# Altium PCB Carte_GR_2017_logique_v1_ECO_JEAN.PcbDoc (part 2 of 3)
Units mil, origin at the board's own origin, x right, y up, seen from the top; angles counter-clockwise.
Board outline 5300 x 3800 mil, 4 copper layers (Component Side, Ground, Power, Solder Side), stack 38.234 mil thick; 359 components, 303 nets, 1044 pads, 134 vias.
Unrouted connection lines stored in the file: 16.
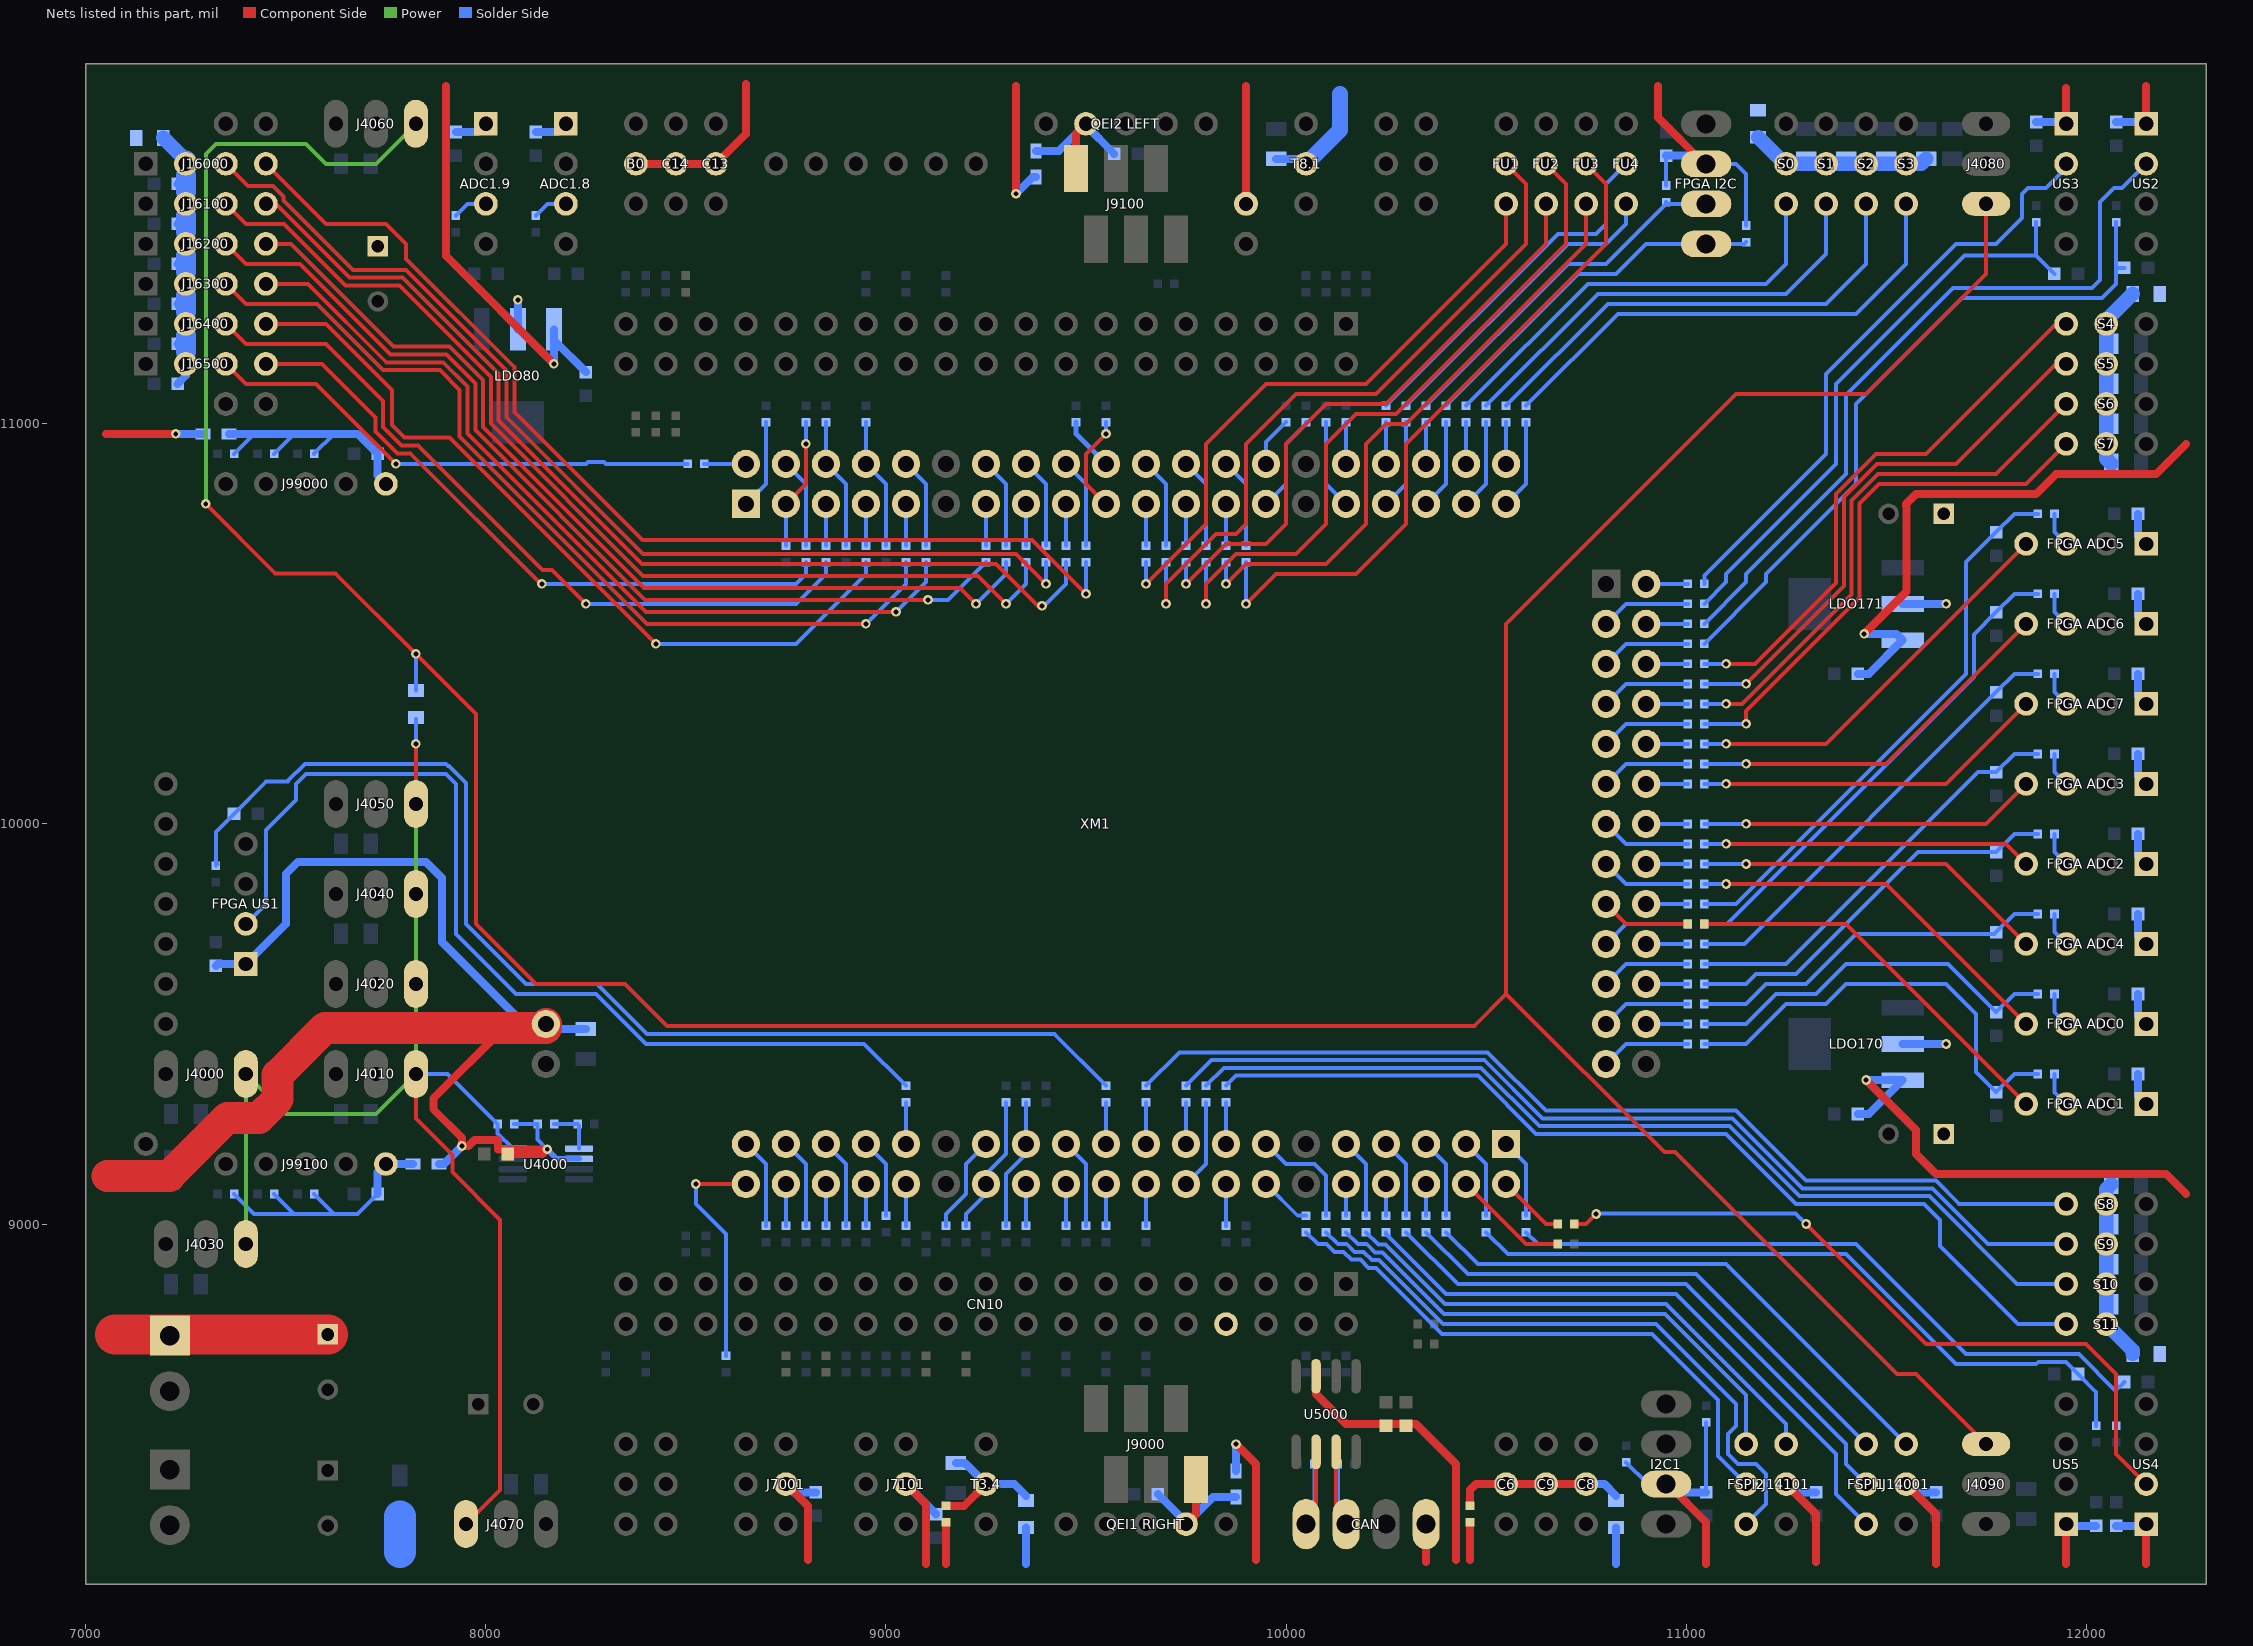
[diagram p4: the nets of this part, all layers, seen from the top]

## Via types
v1: diameter 24, hole 12, Component Side to Solder Side, 125 vias
v2: diameter 120, hole 120, Component Side to Solder Side, 5 vias
v3: diameter 24, hole 12, Component Side to Solder Side, tented top, 4 vias

## Nets (pads, with @x,y where several pads share a name; then routed paths per layer and width w, separated by ;. In a path a pad name is that pad's centre, name@x,y a point inside that pad or via, vN(x,y) a via of type N, cw(c..) or ccw(c..) an arc to the next point about the centre after c; other vN are vias at no path point)
3.3V_ADC_FPGA_0: "FPGA ADC0.1" "FPGA ADC1.1" "FPGA ADC2.1" "FPGA ADC4.1" C171.1 C17000.1 C17100.1 C17200.1 C17400.1 LDO170.2 | length 442.8
  Solder Side w20: LDO170.2@11541.14,9450 v1(11650,9450) ; C17100.1@12129.53,9375 12129.53,9320.47 12150,9300 ; C17000.1@12129.53,9575 12129.53,9520.47 12150,9500 ; C17400.1@12129.53,9775 12129.53,9720.47 12150,9700 ; C17200.1@12129.53,9975 12129.53,9920.47 12150,9900
3.3V_ADC_FPGA_1: "FPGA ADC3.1" "FPGA ADC5.1" "FPGA ADC6.1" "FPGA ADC7.1" C173.1 C17300.1 C17500.1 C17600.1 C17700.1 LDO171.2 | length 442.8
  Solder Side w20: LDO171.2@11541.14,10550 v1(11650,10550) ; C17300.1@12129.53,10175 12129.53,10120.47 12150,10100 ; C17700.1@12129.53,10375 12129.53,10320.47 12150,10300 ; C17600.1@12129.53,10575 12129.53,10520.47 12150,10500 ; C17500.1@12129.53,10775 12129.53,10720.47 12150,10700
3.3V_ADC_NUCLEO: ADC1.8.1 ADC1.9.1 C81.1 C8000.1 C8100.1 LDO80.2 | length 240.8
  Solder Side w20: C8000.1@7925,11729.53 7979.53,11729.53 ADC1.9.1@8000,11750 ; LDO80.2@8080,11236.14 v3(8080,11310) ; C8100.1@8125,11729.53 8179.53,11729.53 ADC1.8.1@8200,11750
5V: "FPGA I2C.2" "FPGA US1.1" B0.2 B1.1 C1.1 C3.2 C13.2 C14.2 C80.1 C170.1 C172.1 C4002.1 C5000.1 C5001.1 C6100.1 C7000.1 C7100.1 C13000.1 C14000.1 C14100.1 C15000.1 C15100.1 C15200.1 C15300.1 C15400.1 CAN.1 FB9000.1 FB9100.1 FB99000.1 FB99100.1 I2C1.2 J7001.2 J7101.2 J14001.2 J14101.2 LDO80.3 LDO170.3 LDO171.3 pad.20 R149.2 R150.2 R4000.2 R4001.2 R6100.2 R6101.2 R13000.2 R13001.2 U4000.2 U5000.3 US2.1 US3.1 US4.1 US5.1 XM1.1 | length 13789.2
  Component Side w20: 7050,10975 v1(7225,10975) ; 7900,11845 7900,11420 v1(8170,11150) ; 8045,9490 7868.5,9313.5 7868.5,9286.95 7940,9215.45 v1(7940,9195) 7956.4,9195 7971.65,9210.25 8030.72,9210.25 8030.72,9186.73 v1(8153.27,9186.73) 8141.54,9175 C4002.1@8054.53,9175 ; B0.2@8375,11650 C14.2@8475,11650 C13.2@8575,11650 8650,11725 8650,11850 ; J7001.2@8750,8350 8805,8295 8805,8160 ; J7101.2@9050,8350 9100,8300 9100,8150 ; 9150,8150 R149.2@9150,8254.33 ; v1(9325,11575) 9325,11845 ; v1(9875,8450) 9925,8400 9925,8160 ; pad.20@9900,11550 9900,11845 ; U5000.3@10075,8619.49 10075,8575 10150,8500 10325,8500 10425,8400 10425,8160 ; 10350,8155 CAN.1@10350,8250 ; 10460,8160 R150.2@10460,8254.33 ; 10930,11845 10930,11765.57 11045.57,11650 11050,11650 ; I2C1.2@10950,8350 10954.43,8350 11050,8254.43 11050,8150 ; J14101.2@11250,8350 11325,8275 11325,8155 ; v1(11445,10475) 11551.19,10581.19 11551.19,10794.87 11550,10796.06 11550,10800 11575,10825 11875,10825 11925,10875 12175,10875 12250,10950 ; v1(11450,9360) 11575,9235 11575,9175 11625,9125 12200,9125 12250,9075 ; J14001.2@11550,8350 11625,8275 11625,8150 ; 11950,8150 US5.1@11950,8250 ; US3.1@11950,11750 11950,11840 ; 12150,8150 US4.1@12150,8250 ; US2.1@12150,11750 12150,11845
  Component Side w80: 7054.5,9120 7055,9120.5 7208.74,9120.5 7353.74,9265.5 7432.93,9265.5 7479.5,9312.07 7479.5,9371.93 7598.07,9490.5 8150,9490.5 XM1.1@8150,9500
  Component Side w100: 7073.4,8723.9 C1.1@7605,8723.9
  Solder Side w10: R4000.2@8070.67,9250 R4001.2@8129.33,9250 8129.33,9210.67 v1(8153.27,9186.73) ; R6100.2@10850,8404.33 10904.33,8350 I2C1.2@10950,8350 ; R13000.2@10950,11595.67 C13000.1@10950,11670.47 ; C6100.1@11050,8329.53 R6101.2@11050,8504.33 ; 11050,11650 11125,11650 11150,11625 R13001.2@11150,11495.67
  Solder Side w14: v1(8153.27,9186.73) 8177.2,9162.8 U4000.2@8232.68,9162.8
  Solder Side w20: v1(7225,10975) FB99000.1@7292.52,10975 ; C15000.1@7325,9645.47 7329.53,9650 7400,9650 7500,9750 7500,9875 7529.91,9904.91 7738.2,9904.91 7738.29,9905 7850,9905 7890,9865 7890,9705 8095,9500 XM1.1@8150,9500 8162.6,9487.4 C3.2@8250,9487.4 ; FB99100.1@7882.48,9150 7895,9150 v1(7940,9195) ; v1(8170,11150) 8170,11235.59 LDO80.3@8170.55,11236.14 8170.55,11208.98 C80.1@8250,11129.53 ; J7001.2@8750,8350 8770.47,8329.53 C7000.1@8825,8329.53 ; J7101.2@9050,8350 9125,8275 C7100.1@9125,8274.53 ; v1(9325,11575) 9367.52,11617.52 FB9100.1@9375,11617.52 ; FB9000.1@9875,8382.48 v1(9875,8450) ; I2C1.2@10950,8350 10970.47,8329.53 C6100.1@11050,8329.53 ; C13000.1@10950,11670.47 11029.53,11670.47 11050,11650 ; J14101.2@11250,8350 11270.47,8329.53 C14100.1@11325,8329.53 ; C170.1@11429.53,9275 11456.69,9275 LDO170.3@11541.14,9359.45 11540.59,9360 v1(11450,9360) ; C172.1@11429.53,10375 11456.69,10375 LDO171.3@11541.14,10459.45 11525.59,10475 v1(11445,10475) ; J14001.2@11550,8350 11570.47,8329.53 C14000.1@11625,8329.53 ; C15200.1@11875,11754.53 11945.47,11754.53 US3.1@11950,11750 ; US5.1@11950,8250 11954.53,8245.47 C15400.1@12025,8245.47 ; C15300.1@12075,8245.47 12145.47,8245.47 US4.1@12150,8250 ; C15100.1@12075,11754.53 12145.47,11754.53 US2.1@12150,11750
5V_ENC: "QEI1 RIGHT.4" "QEI2 LEFT.4" C9000.1 C9100.1 C99000.1 C99100.1 FB9000.2 FB9100.2 FB99000.2 FB99100.2 J9000.1 J9100.1 J99000.1 J99100.1 R99000.2 R99001.2 R99002.2 R99100.2 R99101.2 R99102.2 | length 2138.7
  Component Side w20: J9100.1@9475,11638.58 9475,11725 9500,11750 ; 9750,8250 9775,8275 J9000.1@9775,8361.42
  Solder Side w10: R99102.2@7370.67,9075 7420.67,9025 7520.67,9025 ; R99002.2@7370.67,10925 7420.67,10975 ; R99101.2@7470.67,9075 7520.67,9025 ; R99001.2@7470.67,10925 7520.67,10975 ; R99100.2@7570.67,9075 7620.67,9025 ; R99000.2@7570.67,10925 7570.67,10925.67 7620,10975 ; C99100.1@7729.53,9075 7679.53,9025 7620.67,9025 ; 7520.67,9025 7620.67,9025
  Solder Side w20: FB99000.2@7357.48,10975 7420.67,10975 7520.67,10975 7620,10975 7679.55,10975 C99000.1@7729.53,10925 7729.53,10870.47 J99000.1@7750,10850 ; C99100.1@7729.53,9075 7729.53,9129.53 J99100.1@7750,9150 FB99100.2@7817.52,9150 ; FB9100.2@9375,11682.48 9432.48,11682.48 9500,11750 9500,11745.47 C9100.1@9570.47,11675 ; C9000.1@9679.53,8325 9750,8254.53 9750,8250 9817.52,8317.52 FB9000.2@9875,8317.52
5V_SERVO: C6.2 C8.2 C9.2 C2100.2 C2400.2 C11000.2 C11010.2 C11020.2 C11030.2 C11040.2 C11050.2 C11060.2 C11070.2 C11080.2 C11090.2 C11100.2 C11110.2 C16000.1 C16100.1 C16200.1 C16300.1 C16400.1 C16500.1 FB2.1 J16000.2 J16100.2 J16200.2 J16300.2 J16400.2 J16500.2 R149.1 R150.1 S0.2 S1.2 S2.2 S3.2 S4.2 S5.2 S6.2 S7.2 S8.2 S9.2 S10.2 S11.2 SB1.1 SB1.2 SB2.1 SB2.2 SB3.1 SB3.2 SB6.1 SB6.2 SB7.1 SB7.2 SB8.1 SB8.2 T3.4.2 T8.1.2 | length 3620
  Component Side w20: R149.1@9150,8295.67 9195.67,8295.67 T3.4.2@9250,8350 ; R150.1@10460,8295.67 10460,8335 10475,8350 C6.2@10550,8350 C9.2@10650,8350 C8.2@10750,8350
  Solder Side w20: C16500.1@7229.53,11100 7250,11120.47 J16500.2@7250,11150 7250,11179.53 C16400.1@7229.53,11200 7250,11220.47 J16400.2@7250,11250 7250,11279.53 C16300.1@7229.53,11300 7250,11320.47 J16300.2@7250,11350 7250,11379.53 C16200.1@7229.53,11400 7250,11420.47 J16200.2@7250,11450 7250,11479.53 C16100.1@7229.53,11500 7250,11520.47 J16100.2@7250,11550 7250,11579.53 C16000.1@7229.53,11600 7250,11620.47 J16000.2@7250,11650 ; C2400.2@9175,8402.4 9197.6,8402.4 T3.4.2@9250,8350 9320.75,8350 SB7.2@9350,8320.75 ; 9350,8150 SB7.1@9350,8241.25 ; C2100.2@9975,11662.6 10037.4,11662.6 T8.1.2@10050,11650 ; C8.2@10750,8350 10795.75,8350 SB8.2@10825,8320.75 ; 10825,8150 SB8.1@10825,8241.25
  Solder Side w36: SB6.2@7193.75,11715 J16000.2@7250,11658.75 ; SB1.2@11180,11716.25 11246.25,11650 S0.2@11250,11650 S1.2@11350,11650 S2.2@11450,11650 S3.2@11550,11650 11587.4,11650 C11030.2@11600,11662.6 ; C11080.2@12062.6,9100 12050,9087.4 S8.2@12050,9050 S9.2@12050,8950 S10.2@12050,8850 S11.2@12050,8750 12116.25,8683.75 SB3.2@12116.25,8675 ; C11070.2@12062.6,10900 12050,10912.6 S7.2@12050,10950 S6.2@12050,11050 S5.2@12050,11150 S4.2@12050,11250 12050,11258.75 SB2.2@12116.25,11325
  Solder Side w40: T8.1.2@10050,11650 10135,11735 10135,11825
  Solder Side w50: 7250,11179.53 7250,11220.47 ; 7250,11279.53 7250,11320.47 ; 7250,11379.53 7250,11420.47 ; 7250,11479.53 7250,11520.47 ; 7250,11579.53 7250,11620.47 ; J16000.2@7250,11650 J16000.2@7250,11658.75
  Solder Side w80: 7785,8180 FB2.1@7785,8268.82
5V_USB_NUCLEO: CN10.8
ADC1.8_IN: ADC1.8.3 R8100.2 | length 87.1
  Solder Side w10: R8100.2@8125,11520.67 8154.33,11550 ADC1.8.3@8200,11550
ADC1.9_IN: ADC1.9.3 R8000.2 | length 87.1
  Solder Side w10: R8000.2@7925,11520.67 7954.33,11550 ADC1.9.3@8000,11550
CANH: CAN.3 R5000.2 U5000.7 | length 349.4
  Component Side w10: U5000.7@10125,8430.51 10125,8275 CAN.3@10150,8250
  Solder Side w10: R5000.2@10129.33,8400 10129.33,8270.67 CAN.3@10150,8250
CANL: CAN.4 R5001.1 U5000.6 | length 349.4
  Component Side w10: CAN.4@10050,8250 10075,8275 U5000.6@10075,8430.51
  Solder Side w10: CAN.4@10050,8250 10070.67,8270.67 R5001.1@10070.67,8400
DYNA_D0: J4000.1 J4010.1 J4020.1 J4030.1 J4040.1 J4050.1 J4060.1 J4070.1 J4080.1 J4090.1 R4000.1 SB5.1 SB5.2 U4000.8 | length 13430.8
  Component Side w10: v1(7300,10800) 7473.5,10626.5 7623.5,10626.5 v1(7825,10425) 7975,10275 7975,9750 8125,9600 8347.93,9600 8452.43,9495.5 10470.5,9495.5 10550,9575 ; J4010.1@7825,9375 7825,9263.84 7916,9172.84 7916,9130.07 8035.6,9010.47 8035.6,8335.6 J4070.1@7950,8250 J4070.1@7957.07,8250 ; J4050.1@7825,10050 v1(7825,10200) ; J4090.1@11750,8450 11575,8625 11527.07,8625 10972.57,9179.5 10945.5,9179.5 10550,9575 ; J4080.1@11750,11550 11750,11375 11450,11075 11125,11075 10550,10500 10550,9575
  Power w10: v1(7300,10800) 7300,11675 7325,11700 7550,11700 7600,11650 7725,11650 J4060.1@7825,11750 ; J4030.1@7400,8950 J4000.1@7400,9375 7500,9275 7725,9275 J4010.1@7825,9375 J4020.1@7825,9600 J4040.1@7825,9825 J4050.1@7825,10050
  Solder Side w10: J4010.1@7825,9375 7904.33,9375 R4000.1@8029.33,9250 8029.33,9226.38 U4000.8@8067.32,9188.39 ; v1(7825,10200) SB5.1@7825,10261.75 ; SB5.2@7825,10333.75 v1(7825,10425)
DYNA_D_INV: R4001.1 R4002.2 U4000.1 | length 121.7
  Solder Side w10: R4001.1@8170.67,9250 R4002.2@8229.33,9250 8232.68,9246.65 U4000.1@8232.68,9188.39
F_ADC0_IN: "FPGA ADC0.3" R17000.2 | length 87.1
  Solder Side w10: R17000.2@11920.67,9575 11920.67,9529.33 11950,9500
F_ADC1_IN: "FPGA ADC1.3" R17100.2 | length 87.1
  Solder Side w10: R17100.2@11920.67,9375 11920.67,9329.33 11950,9300
F_ADC2_IN: "FPGA ADC2.3" R17200.2 | length 87.1
  Solder Side w10: R17200.2@11920.67,9975 11920.67,9929.33 11950,9900
F_ADC3_IN: "FPGA ADC3.3" R17300.2 | length 87.1
  Solder Side w10: R17300.2@11920.67,10175 11920.67,10129.33 11950,10100
F_ADC4_IN: "FPGA ADC4.3" R17400.2 | length 87.1
  Solder Side w10: R17400.2@11920.67,9775 11920.67,9729.33 11950,9700
F_ADC5_IN: "FPGA ADC5.3" R17500.2 | length 87.1
  Solder Side w10: R17500.2@11920.67,10775 11920.67,10729.33 11950,10700
F_ADC6_IN: "FPGA ADC6.3" R17600.2 | length 87.1
  Solder Side w10: R17600.2@11920.67,10575 11920.67,10529.33 11950,10500
F_ADC7_IN: "FPGA ADC7.3" R17700.2 | length 87.1
  Solder Side w10: R17700.2@11920.67,10375 11920.67,10329.33 11950,10300
FPGA_A2: R96.2 XM1.105 | length 104.3
  Solder Side w10: R96.2@8850,10695.67 XM1.105@8850,10800
FPGA_A3: R18.1 R111.1 XM1.106 | length 329.4
  Solder Side w10: R18.1@8850,11004.33 XM1.106@8850,10900 8900,10850 R111.1@8900,10695.67
FPGA_A4: R98.2 XM1.109 | length 104.3
  Solder Side w10: R98.2@9050,10695.67 XM1.109@9050,10800
FPGA_A5: R99.2 XM1.113 | length 104.3
  Solder Side w10: R99.2@9250,10695.67 XM1.113@9250,10800
FPGA_A6: R115.1 XM1.116 | length 225
  Solder Side w10: XM1.116@9350,10900 9400,10850 R115.1@9400,10695.67
FPGA_A7: R153.2 XM1.119 | length 245.8
  Component Side w10: XM1.119@9550,10800 9500,10850 9500,10925 v1(9550,10975)
  Solder Side w10: v1(9550,10975) R153.2@9550,11004.33
FPGA_A12: R107.2 XM1.137 | length 225
  Solder Side w10: XM1.137@10450,10800 10500,10850 R107.2@10500,11004.33
FPGA_A14: R125.2 XM1.305 | length 225
  Solder Side w10: XM1.305@10800,10400 10850,10450 R125.2@11004.33,10450
FPGA_ADC0: R147.1 XM1.324 | length 104.3
  Solder Side w10: XM1.324@10900,9500 R147.1@11004.33,9500
FPGA_ADC0_AIN: C17001.2 R147.2 R17000.1 | length 964.5
  Solder Side w10: R147.2@11045.67,9500 11150,9500 11225,9575 11325,9575 11400,9650 11654.53,9650 C17001.2@11775,9529.53 11820.47,9575 R17000.1@11879.33,9575
FPGA_ADC0_GPIO: "FPGA ADC0.4" R130.1 | length 949.3
  Component Side w10: v1(11100,9850) 11500,9850 11850,9500
  Solder Side w10: R130.1@11045.67,9850 v1(11100,9850)
FPGA_ADC1: R135.2 XM1.325 | length 225
  Solder Side w10: XM1.325@10800,9400 10850,9450 R135.2@11004.33,9450
FPGA_ADC1_AIN: C17101.2 R135.1 R17100.1 | length 1111.9
  Solder Side w10: R135.1@11045.67,9450 11150,9450 11250,9550 11350,9550 11400,9600 11650,9600 11725,9525 11725,9379.53 C17101.2@11775,9329.53 11820.47,9375 R17100.1@11879.33,9375
FPGA_ADC1_GPIO: "FPGA ADC1.4" R131.1 | length 990.7
  Component Side w10: R131.1@11045.67,9750 11400,9750 11850,9300
FPGA_ADC2: R146.1 XM1.322 | length 104.3
  Solder Side w10: XM1.322@10900,9600 R146.1@11004.33,9600
FPGA_ADC2_AIN: C17201.2 R146.2 R17200.1 | length 989
  Solder Side w10: R146.2@11045.67,9600 11150,9600 11175,9625 11275,9625 11579.53,9929.53 C17201.2@11775,9929.53 11820.47,9975 R17200.1@11879.33,9975
FPGA_ADC2_GPIO: "FPGA ADC2.4" R129.1 | length 825
  Component Side w10: v1(11100,9950) 11800,9950 11850,9900
  Solder Side w10: R129.1@11045.67,9950 v1(11100,9950)
FPGA_ADC3: R133.2 XM1.321 | length 225
  Solder Side w10: XM1.321@10800,9600 10850,9650 R133.2@11004.33,9650
FPGA_ADC3_AIN: C17301.2 R133.1 R17300.1 | length 1051.1
  Solder Side w10: R133.1@11045.67,9650 11250,9650 11729.53,10129.53 C17301.2@11775,10129.53 11820.47,10175 R17300.1@11879.33,10175
FPGA_ADC3_GPIO: "FPGA ADC3.4" R142.2 | length 845.8
  Component Side w10: v1(11150,10000) 11750,10000 11850,10100
  Solder Side w10: R142.2@11045.67,10000 v1(11150,10000)
FPGA_ADC4: R134.2 XM1.323 | length 225
  Solder Side w10: XM1.323@10800,9500 10850,9550 R134.2@11004.33,9550
FPGA_ADC4_AIN: C17401.2 R134.1 R17400.1 | length 926.9
  Solder Side w10: R134.1@11045.67,9550 11150,9550 11200,9600 11300,9600 11425,9725 11770.47,9725 C17401.2@11775,9729.53 11820.47,9775 R17400.1@11879.33,9775
FPGA_ADC4_GPIO: "FPGA ADC4.4" R143.2 | length 887.2
  Component Side w10: v1(11150,9900) 11650,9900 11850,9700
  Solder Side w10: R143.2@11045.67,9900 v1(11150,9900)
FPGA_ADC5: R144.1 XM1.318 | length 104.3
  Solder Side w10: XM1.318@10900,9800 R144.1@11004.33,9800
FPGA_ADC5_AIN: C17501.2 R144.2 R17500.1 | length 1401.3
  Solder Side w10: R144.2@11045.67,9800 11125,9800 11700,10375 11700,10654.53 C17501.2@11775,10729.53 11820.47,10775 R17500.1@11879.33,10775
FPGA_ADC5_GPIO: "FPGA ADC5.4" R140.2 | length 1011.4
  Component Side w10: v1(11100,10200) 11350,10200 11850,10700
  Solder Side w10: R140.2@11045.67,10200 v1(11100,10200)
FPGA_ADC6: R132.2 XM1.319 | length 225
  Solder Side w10: XM1.319@10800,9700 10850,9750 R132.2@11004.33,9750
FPGA_ADC6_AIN: C17601.2 R132.1 R17600.1 | length 1238.1
  Solder Side w10: R132.1@11045.67,9750 11102.58,9750 11719.5,10366.92 11719.5,10474.03 C17601.2@11775,10529.53 11820.47,10575 R17600.1@11879.33,10575
FPGA_ADC6_GPIO: "FPGA ADC6.4" R128.1 | length 949.3
  Component Side w10: v1(11150,10150) 11500,10150 11850,10500
  Solder Side w10: R128.1@11045.67,10150 v1(11150,10150)
FPGA_ADC7: R145.1 XM1.320 | length 104.3
  Solder Side w10: XM1.320@10900,9700 R145.1@11004.33,9700
FPGA_ADC7_AIN: C17701.2 R145.2 R17700.1 | length 1113.3
  Solder Side w10: R145.2@11045.67,9700 11145.47,9700 C17701.2@11775,10329.53 11820.47,10375 R17700.1@11879.33,10375
FPGA_ADC7_GPIO: "FPGA ADC7.4" R141.2 | length 887.2
  Component Side w10: v1(11100,10100) 11650,10100 11850,10300
  Solder Side w10: R141.2@11045.67,10100 v1(11100,10100)
FPGA_B3: R97.2 XM1.107 | length 104.3
  Solder Side w10: R97.2@8950,10695.67 XM1.107@8950,10800
FPGA_B4: R9.1 R112.1 XM1.108 | length 329.4
  Solder Side w10: R9.1@8950,11004.33 XM1.108@8950,10900 9000,10850 R112.1@9000,10695.67
FPGA_B5: R113.1 XM1.110 | length 225
  Solder Side w10: XM1.110@9050,10900 9100,10850 R113.1@9100,10695.67
FPGA_B6: R100.2 XM1.115 | length 104.3
  Solder Side w10: R100.2@9350,10695.67 XM1.115@9350,10800
FPGA_B7: R101.2 XM1.117 | length 104.3
  Solder Side w10: R101.2@9450,10695.67 XM1.117@9450,10800
FPGA_B11: R121.1 XM1.136 | length 104.3
  Solder Side w10: XM1.136@10350,10900 R121.1@10350,11004.33
FPGA_B12: R123.1 XM1.140 | length 104.3
  Solder Side w10: XM1.140@10550,10900 R123.1@10550,11004.33
FPGA_B16: R138.1 XM1.306 | length 104.3
  Solder Side w10: XM1.306@10900,10400 R138.1@11004.33,10400
FPGA_C3: R110.1 XM1.104 | length 225
  Solder Side w10: XM1.104@8750,10900 8800,10850 R110.1@8800,10695.67
FPGA_C6: R5.1 XM1.120 | length 135.4
  Solder Side w12: R5.1@9475,11004.33 9475,10975 XM1.120@9550,10900
FPGA_C8: R102.2 XM1.121 | length 104.3
  Solder Side w10: R102.2@9650,10695.67 XM1.121@9650,10800
FPGA_C9: R1.1 XM1.131 | length 225
  Solder Side w10: R1.1@10100,11004.33 10100,10850 XM1.131@10150,10800
FPGA_C11: R106.2 XM1.135 | length 225
  Solder Side w10: XM1.135@10350,10800 10400,10850 R106.2@10400,11004.33
FPGA_C14: R126.2 XM1.307 | length 225
  Solder Side w10: XM1.307@10800,10300 10850,10350 R126.2@11004.33,10350
FPGA_C15: R127.2 XM1.309 | length 225
  Solder Side w10: XM1.309@10800,10200 10850,10250 R127.2@11004.33,10250
FPGA_C16: R139.1 XM1.308 | length 104.3
  Solder Side w10: XM1.308@10900,10300 R139.1@11004.33,10300
FPGA_D3: R109.1 XM1.102 | length 104.3
  Solder Side w10: R109.1@8545.67,10900 XM1.102@8650,10900
FPGA_D5: R114.1 XM1.114 | length 225
  Solder Side w10: XM1.114@9250,10900 9300,10850 R114.1@9300,10695.67
FPGA_D6: R116.1 XM1.118 | length 225
  Solder Side w10: XM1.118@9450,10900 9500,10850 R116.1@9500,10695.67
FPGA_D8: R118.1 XM1.124 | length 225
  Solder Side w10: XM1.124@9750,10900 9800,10850 R118.1@9800,10695.67
FPGA_D9: R16.1 XM1.132 | length 104.3
  Solder Side w10: XM1.132@10150,10900 R16.1@10150,11004.33
FPGA_D11: R122.1 XM1.138 | length 104.3
  Solder Side w10: XM1.138@10450,10900 R122.1@10450,11004.33
FPGA_D12: R108.2 XM1.139 | length 225
  Solder Side w10: XM1.139@10550,10800 10600,10850 R108.2@10600,11004.33
FPGA_D14: R141.1 XM1.312 | length 104.3
  Solder Side w10: XM1.312@10900,10100 R141.1@11004.33,10100
FPGA_D15: R128.2 XM1.311 | length 225
  Solder Side w10: XM1.311@10800,10100 10850,10150 R128.2@11004.33,10150
FPGA_D16: R140.1 XM1.310 | length 104.3
  Solder Side w10: XM1.310@10900,10200 R140.1@11004.33,10200
FPGA_E6: R117.1 XM1.122 | length 225
  Solder Side w10: XM1.122@9650,10900 9700,10850 R117.1@9700,10695.67
FPGA_E7: R103.2 XM1.123 | length 104.3
  Solder Side w10: R103.2@9750,10695.67 XM1.123@9750,10800
FPGA_E8: R104.2 XM1.125 | length 104.3
  Solder Side w10: R104.2@9850,10695.67 XM1.125@9850,10800
FPGA_E9: R2.1 XM1.128 | length 125
  Solder Side w10: XM1.128@9950,10900 9950,10954.33 R2.1@10000,11004.33
FPGA_E10: R120.1 XM1.134 | length 104.3
  Solder Side w10: XM1.134@10250,10900 R120.1@10250,11004.33
FPGA_E11: R105.2 XM1.133 | length 225
  Solder Side w10: XM1.133@10250,10800 10300,10850 R105.2@10300,11004.33
FPGA_E15: R136.1 XM1.302 | length 104.3
  Solder Side w10: XM1.302@10900,10600 R136.1@11004.33,10600
FPGA_F8: R119.1 XM1.126 | length 225
  Solder Side w10: XM1.126@9850,10900 9900,10850 R119.1@9900,10695.67
FPGA_F9: R17.1 XM1.127 | length 245.8
  Solder Side w10: XM1.127@9950,10800 10000,10850 10000,10950 10050,11000 R17.1@10050,11004.33
FPGA_F13: R81.2 XM1.202 | length 170.8
  Component Side w10: XM1.202@10550,9100 10650,9000 R81.2@10679.33,9000
FPGA_F14: R130.2 XM1.315 | length 225
  Solder Side w10: XM1.315@10800,9900 10850,9850 R130.2@11004.33,9850
FPGA_F15: R129.2 XM1.313 | length 225
  Solder Side w10: XM1.313@10800,10000 10850,9950 R129.2@11004.33,9950
FPGA_F16: R142.1 XM1.314 | length 104.3
  Solder Side w10: XM1.314@10900,10000 R142.1@11004.33,10000
FPGA_G15: R131.2 XM1.317 | length 225
  Component Side w10: XM1.317@10800,9800 10850,9750 R131.2@11004.33,9750
FPGA_G16: R143.1 XM1.316 | length 104.3
  Solder Side w10: XM1.316@10900,9900 R143.1@11004.33,9900
FPGA_I2CS_SCL: "FPGA I2C.4" R106.1 R13001.1 | length 919.3
  Solder Side w10: R106.1@10400,11045.67 10729.33,11375 10825,11375 10900,11450 11050,11450 11145.67,11450 R13001.1@11150,11454.33
FPGA_I2CS_SDA: "FPGA I2C.3" R121.2 R13000.1 | length 915
  Solder Side w10: R121.2@10350,11045.67 10704.33,11400 10800,11400 10950,11550 R13000.1@10950,11554.33 10954.33,11550 11050,11550
FPGA_IN_A8: R20.1 XM1.101 | length 225
  Solder Side w10: XM1.101@8650,10800 8700,10850 R20.1@8700,11004.33
FPGA_IN_B8: R19.1 R95.2 XM1.103 | length 329.4
  Component Side w10: XM1.103@8750,10800 8800,10850 v1(8800,10950)
  Solder Side w10: R95.2@8750,10695.67 XM1.103@8750,10800 ; v1(8800,10950) R19.1@8800,11004.33
FPGA_IN_E16: R124.2 XM1.303 | length 225
  Solder Side w10: XM1.303@10800,10500 10850,10550 R124.2@11004.33,10550
FPGA_IN_R9: R93.1 XM1.203 | length 200
  Solder Side w10: XM1.203@10450,9200 10500,9150 R93.1@10500,9020.67
FPGA_IN_T9: R94.1 XM1.201 | length 200
  Solder Side w10: XM1.201@10550,9200 10600,9150 R94.1@10600,9020.67
FPGA_J13: R50.1 XM1.239 | length 225
  Solder Side w10: XM1.239@8650,9200 8700,9150 R50.1@8700,8995.67
FPGA_J14: R61.1 XM1.240 | length 585.4
  Component Side w10: v1(8525,9100) XM1.240@8650,9100
  Solder Side w10: v1(8525,9100) 8525,9050 8600,8975 R61.1@8600,8670.67
FPGA_J16: R49.1 XM1.237 | length 225
  Solder Side w10: XM1.237@8750,9200 8800,9150 R49.1@8800,8995.67
FPGA_K15: R36.2 XM1.238 | length 104.3
  Solder Side w10: R36.2@8750,8995.67 XM1.238@8750,9100
FPGA_K16: R28.2 XM1.222 | length 104.3
  Solder Side w10: R28.2@9550,8995.67 XM1.222@9550,9100
FPGA_L13: R35.2 XM1.236 | length 104.3
  Solder Side w10: R35.2@8850,8995.67 XM1.236@8850,9100
FPGA_L14: R82.1 XM1.233 | length 200
  Solder Side w10: XM1.233@8950,9200 9000,9150 R82.1@9000,9020.67
FPGA_L15: R29.2 XM1.224 | length 104.3
  Solder Side w10: R29.2@9450,8995.67 XM1.224@9450,9100
FPGA_L16: R85.1 XM1.221 | length 104.3
  Solder Side w10: XM1.221@9550,9200 R85.1@9550,9304.33
FPGA_M10: R48.1 XM1.235 | length 225
  Solder Side w10: XM1.235@8850,9200 8900,9150 R48.1@8900,8995.67
FPGA_M16: R137.1 XM1.304 | length 104.3
  Solder Side w10: XM1.304@10900,10500 R137.1@11004.33,10500
FPGA_N9: R86.1 XM1.219 | length 104.3
  Solder Side w10: XM1.219@9650,9200 R86.1@9650,9304.33
FPGA_N11: R27.2 XM1.220 | length 104.3
  Solder Side w10: R27.2@9650,8995.67 XM1.220@9650,9100
FPGA_N12: R87.1 XM1.217 | length 104.3
  Solder Side w10: XM1.217@9750,9200 R87.1@9750,9304.33
FPGA_N14: R34.2 XM1.234 | length 104.3
  Solder Side w10: R34.2@8950,8995.67 XM1.234@8950,9100
FPGA_N15: R83.1 XM1.231 | length 104.3
  Solder Side w10: XM1.231@9050,9200 R83.1@9050,9304.33
FPGA_N16: R46.1 R73.2 XM1.228 | length 350.1
  Solder Side w10: R46.1@9200,8995.67 9200,9025 9250,9075 XM1.228@9250,9100 9250,9125 9300,9175 R73.2@9300,9304.33
FPGA_P9: R74.2 XM1.218 | length 225
  Solder Side w10: XM1.218@9750,9100 9800,9150 R74.2@9800,9304.33
FPGA_P11: R88.1 XM1.215 | length 104.3
  Solder Side w10: XM1.215@9850,9200 R88.1@9850,9304.33
FPGA_P14: R33.2 XM1.232 | length 104.3
  Solder Side w10: R33.2@9050,8995.67 XM1.232@9050,9100
FPGA_P15: R31.2 R84.1 XM1.225 | length 329.4
  Solder Side w10: R31.2@9300,8995.67 9300,9125 9350,9175 XM1.225@9350,9200 R84.1@9350,9304.33
FPGA_P16: R45.1 XM1.226 | length 104.3
  Solder Side w10: R45.1@9350,8995.67 XM1.226@9350,9100
FPGA_PWM_0: R122.2 S0.3 | length 1096.8
  Solder Side w10: R122.2@10450,11045.67 10754.33,11350 11200,11350 11250,11400 S0.3@11250,11550
FPGA_PWM_1: R107.1 S1.3 | length 1132.1
  Solder Side w10: R107.1@10500,11045.67 10779.33,11325 11250,11325 11350,11425 S1.3@11350,11550
FPGA_PWM_2: R123.2 S2.3 | length 1196.8
  Solder Side w10: R123.2@10550,11045.67 10804.33,11300 11350,11300 11450,11400 S2.3@11450,11550
FPGA_PWM_3: R108.1 S3.3 | length 1246.8
  Solder Side w10: R108.1@10600,11045.67 10829.33,11275 11425,11275 11550,11400 S3.3@11550,11550
FPGA_PWM_4: R138.2 S4.3 | length 1386.7
  Component Side w10: v1(11100,10400) 11172.42,10400 11375,10602.58 11375,10825 11475,10925 11600,10925 11925,11250 S4.3@11950,11250
  Solder Side w10: R138.2@11045.67,10400 v1(11100,10400)
FPGA_PWM_5: R126.1 S5.3 | length 1366
  Component Side w10: v1(11150,10350) 11394.5,10594.5 11394.5,10816.92 11477.58,10900 11675,10900 11925,11150 S5.3@11950,11150
  Solder Side w10: R126.1@11045.67,10350 v1(11150,10350)
FPGA_PWM_6: R139.2 S6.3 | length 1352.6
  Component Side w10: v1(11100,10300) 11140,10300 11414,10574 11414,10808.85 11480.15,10875 11775,10875 S6.3@11950,11050
  Solder Side w10: R139.2@11045.67,10300 v1(11100,10300)
FPGA_PWM_7: R127.1 S7.3 | length 1350.8
  Component Side w10: v1(11150,10250) 11150,10282.42 11433.5,10565.92 11433.5,10800.77 11482.73,10850 11850,10850 S7.3@11950,10950
  Solder Side w10: R127.1@11045.67,10250 v1(11150,10250)
FPGA_PWM_8: R86.2 S8.3 | length 2491.6
  Solder Side w10: R86.2@9650,9345.67 9733.5,9429.17 10503.56,9429.17 10649.23,9283.5 11124.23,9283.5 11299.23,9108.5 11624.23,9108.5 11682.73,9050 S8.3@11950,9050
FPGA_PWM_9: R87.2 S9.3 | length 2416.9
  Solder Side w10: R87.2@9750,9345.67 9814,9409.67 10495.48,9409.67 10641.15,9264 11116.15,9264 11291.15,9089 11616.15,9089 11755.15,8950 S9.3@11950,8950
FPGA_PWM_10: R74.1 S10.3 | length 2392.2
  Solder Side w10: R74.1@9800,9345.67 9844.5,9390.17 10487.41,9390.17 10633.08,9244.5 11108.08,9244.5 11283.08,9069.5 11608.08,9069.5 11827.58,8850 S10.3@11950,8850
FPGA_PWM_11: R88.2 S11.3 | length 2405.5
  Solder Side w10: R88.2@9850,9345.67 9875,9370.67 10479.33,9370.67 10625,9225 11100,9225 11275,9050 11595,9050 11634.5,9010.5 11634.5,8945.5 11830,8750 S11.3@11950,8750
FPGA_R10: R75.2 XM1.216 | length 104.3
  Solder Side w10: R75.2@9850,8995.67 XM1.216@9850,9100
FPGA_R11: R76.2 XM1.214 | length 132.9
  Solder Side w10: XM1.214@9950,9100 10029.33,9020.67 R76.2@10050,9020.67
FPGA_R12: R90.1 XM1.209 | length 200
  Solder Side w10: XM1.209@10150,9200 10200,9150 R90.1@10200,9020.67
FPGA_R13: R91.1 XM1.207 | length 200
  Solder Side w10: XM1.207@10250,9200 10300,9150 R91.1@10300,9020.67
FPGA_R14: R32.2 XM1.227 | length 245.8
  Solder Side w10: R32.2@9150,8995.67 9150,9025 9200,9075 9200,9150 XM1.227@9250,9200
FPGA_R16: R44.1 XM1.223 | length 225
  Solder Side w10: XM1.223@9450,9200 9500,9150 R44.1@9500,8995.67
FPGA_SPIM1_MISO: FSPI1.2 R91.2 | length 1440
  Solder Side w10: R91.2@10300,8979.33 10429.33,8850 11000,8850 11400,8450 11400,8400 FSPI1.2@11450,8350
FPGA_SPIM1_MOSI: FSPI1.3 R79.1 | length 1319.3
  Solder Side w10: R79.1@10350,8979.33 10454.33,8875 11025,8875 FSPI1.3@11450,8450
FPGA_SPIM1_NSS: J14001.3 R92.2 | length 1369.3
  Solder Side w10: R92.2@10400,8979.33 10479.33,8900 11100,8900 J14001.3@11550,8450
FPGA_SPIM1_SCK: FSPI1.1 R78.1 | length 1563.2
  Solder Side w10: R78.1@10250,8979.33 10250,8975 10400,8825 10975,8825 11375,8425 11375,8325 FSPI1.1@11450,8250
FPGA_SPIM2_MISO: FSPI2.2 R76.1 | length 1442.7
  Solder Side w10: R76.1@10050,8979.33 10079.33,8950 10101.75,8950 10121.25,8930.5 10143.68,8930.5 10163.18,8911 10185.6,8911 10206.39,8890.21 10224.48,8890.21 10389.69,8725 10915,8725 11080,8560 11080,8420 FSPI2.2@11150,8350
FPGA_SPIM2_MOSI: FSPI2.3 R77.1 | length 1291
  Solder Side w10: R77.1@10150,8979.33 10179.33,8950 10201.75,8950 10222.54,8929.21 10240.63,8929.21 10394.85,8775 10947.42,8775 11150,8572.42 FSPI2.3@11150,8450
FPGA_SPIM2_NSS: J14101.3 R90.2 | length 1298.5
  Solder Side w10: R90.2@10200,8979.33 10230.62,8948.71 10248.71,8948.71 10397.42,8800 10950,8800 11250,8500 J14101.3@11250,8450
FPGA_SPIM2_SCK: FSPI2.1 R89.2 | length 1597.5
  Solder Side w10: R89.2@10100,8979.33 10129.33,8950 10151.75,8950 10171.25,8930.5 10193.68,8930.5 10214.47,8909.71 10232.56,8909.71 10392.27,8750 10925,8750 11125,8550 11125,8495 11105,8475 11105,8425 11130,8400 11175,8400 11200,8375 11200,8300 FSPI2.1@11150,8250
FPGA_STP0_DIR: J16000.4 R116.2 | length 2661.9
  Component Side w10: J16000.4@7450,11650 7600,11500 7750,11500 7800,11450 7800,11412.54 8071,11141.54 8071,11030 8391,10710 9365,10710 v1(9500,10575)
  Solder Side w10: v1(9500,10575) R116.2@9500,10654.33
FPGA_STP0_PWM: J16000.3 R115.2 | length 2613.4
  Component Side w10: J16000.3@7350,11650 7405.97,11594.03 7468.24,11594.03 7494.03,11568.24 7494.03,11558.55 7667.38,11385.19 7799.77,11385.19 8051.5,11133.46 8051.5,11016.54 8393.04,10675 9325,10675 v1(9400,10600)
  Solder Side w10: v1(9400,10600) R115.2@9400,10654.33
FPGA_STP1_DIR: J16100.4 R101.1 | length 2561.9
  Component Side w10: J16100.4@7450,11550 7475,11550 7659.31,11365.69 7791.69,11365.69 8032,11125.39 8032,11008.46 8390.46,10650 9275,10650 9380,10545 v1(9390,10545)
  Solder Side w10: v1(9390,10545) 9395,10545 9450,10600 R101.1@9450,10654.33
FPGA_STP1_PWM: J16100.3 R100.1 | length 2557.7
  Component Side w10: J16100.3@7350,11550 7400,11500 7495,11500 7648.81,11346.19 7783.62,11346.19 8012.5,11117.31 8012.5,11000.39 8392.89,10620 9230,10620 v1(9300,10550)
  Solder Side w10: v1(9300,10550) 9350,10600 R100.1@9350,10654.33
FPGA_STP2_DIR: J16200.4 R114.2 | length 2351.7
  Component Side w10: J16200.4@7450,11450 7512.58,11450 7769.58,11193 7909.23,11193 7993,11109.23 7993,10992.31 8395.31,10590 9185,10590 v1(9225,10550)
  Solder Side w10: v1(9225,10550) 9300,10625 R114.2@9300,10654.33
FPGA_STP2_PWM: J16200.3 R99.1 | length 2376.2
  Component Side w10: J16200.3@7350,11450 7400,11400 7535,11400 7761.5,11173.5 7901.16,11173.5 7973.5,11101.16 7973.5,10984.23 8397.73,10560 v1(9105,10560)
  Solder Side w10: v1(9105,10560) 9155.67,10560 R99.1@9250,10654.33
FPGA_STP3_DIR: J16300.4 R113.2 | length 2138.5
  Component Side w10: J16300.4@7450,11350 7555,11350 7751,11154 7893.08,11154 7954,11093.08 7954,10976.15 8400.15,10530 v1(9025,10530)
  Solder Side w10: v1(9025,10530) 9100,10605 R113.2@9100,10654.33
FPGA_STP3_PWM: J16300.3 R98.1 | length 2216.3
  Component Side w10: J16300.3@7350,11350 7400,11300 7577.42,11300 7742.92,11134.5 7885,11134.5 7934.5,11085 7934.5,10968.08 8402.58,10500 v1(8950,10500)
  Solder Side w10: v1(8950,10500) 9050,10600 R98.1@9050,10654.33
FPGA_STP4_DIR: J16400.4 R97.1 | length 1984.4
  Component Side w10: J16400.4@7450,11250 7599.85,11250 7734.85,11115 7735,11115 7765.5,11084.5 7765.5,10997.08 7797.08,10965.5 7909.5,10965.5 v1(8425,10450)
  Solder Side w10: v1(8425,10450) 8775,10450 8950,10625 R97.1@8950,10654.33
FPGA_STP4_PWM: J16400.3 R96.1 | length 1888.4
  Component Side w10: J16400.3@7350,11250 7400,11200 7600,11200 7743.29,11056.71 7743.29,10991.71 7789,10946 7830,10946 8141,10635 8165,10635 v1(8250,10550)
  Solder Side w10: v1(8250,10550) 8775,10550 8850,10625 R96.1@8850,10654.33
FPGA_STP5_DIR: J16500.4 R110.2 | length 1638
  Component Side w10: J16500.4@7450,11150 7590,11150 7723.79,11016.21 7723.79,10981.21 7778.5,10926.5 7810.98,10926.5 8137.48,10600 v1(8140,10600)
  Solder Side w10: v1(8140,10600) 8775,10600 8800,10625 R110.2@8800,10654.33
FPGA_STP5_PWM: J16500.3 R109.2 | length 1262
  Component Side w10: J16500.3@7350,11150 7400,11100 7575,11100 v1(7775,10900)
  Solder Side w10: v1(7775,10900) 8250,10900 8255,10905 8295,10905 8300,10900 R109.2@8504.33,10900
FPGA_T10: R89.1 XM1.213 | length 282.8
  Solder Side w10: XM1.213@9950,9200 10000.07,9149.93 10070.68,9149.93 10099.93,9120.68 10099.93,9020.74 R89.1@10100,9020.67
FPGA_T11: R77.2 XM1.210 | length 79.3
  Solder Side w10: R77.2@10150,9020.67 XM1.210@10150,9100
FPGA_T12: R78.2 XM1.208 | length 79.3
  Solder Side w10: R78.2@10250,9020.67 XM1.208@10250,9100
FPGA_T13: R79.2 XM1.206 | length 79.3
  Solder Side w10: R79.2@10350,9020.67 XM1.206@10350,9100
FPGA_T14: R92.1 XM1.205 | length 200
  Solder Side w10: XM1.205@10350,9200 10400,9150 R92.1@10400,9020.67
FPGA_T15: R80.2 XM1.204 | length 291.5
  Component Side w10: XM1.204@10450,9100 10600,8950 R80.2@10679.33,8950
FPGA_UART1_RX: FU1.3 R102.1 | length 1523.6
  Component Side w10: v1(9650,10600) 9800,10750 9800,10950 9950,11100 10200,11100 10550,11450 FU1.3@10550,11550
  Solder Side w10: v1(9650,10600) R102.1@9650,10654.33
FPGA_UART1_TX: FU1.2 R117.2 | length 1744.3
  Component Side w10: v1(9700,10550) 9700,10600 9825,10725 9875,10725 9900,10750 9900,10950 10025,11075 10225,11075 10600,11450 10600,11600 FU1.2@10550,11650
  Solder Side w10: v1(9700,10550) R117.2@9700,10654.33
FPGA_UART2_RX: FU2.3 R103.1 | length 1523.6
  Component Side w10: v1(9750,10600) 9850,10700 9950,10700 10000,10750 10000,10950 10100,11050 10250,11050 10650,11450 FU2.3@10650,11550
  Solder Side w10: v1(9750,10600) R103.1@9750,10654.33
FPGA_UART2_TX: FU2.2 R118.2 | length 1744.3
  Component Side w10: v1(9800,10550) 9800,10600 9875,10675 10025,10675 10100,10750 10100,10950 10175,11025 10275,11025 10700,11450 10700,11600 FU2.2@10650,11650
  Solder Side w10: v1(9800,10550) R118.2@9800,10654.33
FPGA_UART3_RX: FU3.3 R104.1 | length 1523.6
  Component Side w10: v1(9850,10600) 9900,10650 10100,10650 10200,10750 10200,10950 10250,11000 10300,11000 10750,11450 FU3.3@10750,11550
  Solder Side w10: v1(9850,10600) R104.1@9850,10654.33
FPGA_UART3_TX: FU3.2 R119.2 | length 1715
  Component Side w10: v1(9900,10550) 9975,10625 10175,10625 10300,10750 10300,10950 10800,11450 10800,11600 FU3.2@10750,11650
  Solder Side w10: v1(9900,10550) R119.2@9900,10654.33
FPGA_UART4_RX: FU4.3 R105.1 | length 788.2
  Solder Side w10: R105.1@10300,11045.67 10704.33,11450 10800,11450 10850,11500 FU4.3@10850,11550
FPGA_UART4_TX: FU4.2 R120.2 | length 908.9
  Solder Side w10: R120.2@10250,11045.67 10679.33,11475 10775,11475 10800,11500 10800,11600 FU4.2@10850,11650
FPGA_US1_ECHO: C15001.2 R85.2 R15000.1 | length 2926.8
  Solder Side w10: R15000.1@7329.33,9900 R15000.1@7325,9895.67 7325,9979.53 C15001.2@7370.47,10025 7450.97,10105.5 7505.5,10105.5 7505.5,10108.08 7547.42,10150 7900,10150 7905.5,10144.5 7908.08,10144.5 7950,10102.58 7950,9750 8100,9600 8277.58,9600 8402.58,9475 9420.67,9475 R85.2@9550,9345.67
FPGA_US1_TRIG: "FPGA US1.2" R83.2 | length 2479.6
  Solder Side w10: 7400,9750 7450,9800 7450,9984.98 7525,10059.98 7525,10100 7550,10125 7900,10125 7925,10100 7925,9725 8075,9575 8275,9575 8400,9450 8945.67,9450 R83.2@9050,9345.67
FPGA_US2_ECHO: C15101.2 R125.1 R15100.1 | length 1708.3
  Solder Side w10: R125.1@11045.67,10450 11200,10604.33 11200,10625 11425,10850 11425,11050 11690,11315 12040,11315 12075,11350 12075,11395 ; R15100.1@12075,11504.33 12075,11395 ; C15101.2@12095.47,11390 12080,11390 12075,11395
FPGA_US2_TRIG: R137.2 US2.2 | length 1822.7
  Solder Side w10: R137.2@11045.67,10500 11150,10604.33 11150,10625 11400,10875 11400,11072.42 11667.58,11340 12015,11340 12035,11360 12035,11555 12070,11590 12090,11590 US2.2@12150,11650
FPGA_US3_ECHO: C15201.2 R124.1 R15200.1 | length 1467.3
  Solder Side w10: R124.1@11045.67,10550 11100,10604.33 11100,10625 11375,10900 11375,11100 11695.47,11420.47 11875,11420.47 ; R15200.1@11875,11504.33 11875,11420.47 ; C15201.2@11920.47,11375 11875,11420.47
FPGA_US3_TRIG: R136.2 US3.2 | length 1509.5
  Solder Side w10: R136.2@11045.67,10600 11045.67,10620.67 11350,10925 11350,11125 11675,11450 11775,11450 11840,11515 11840,11575 11855,11590 11900,11590 11950,11640 US3.2@11950,11650
FPGA_US4_ECHO: C15301.2 R94.2 R15300.1 | length 1757.6
  Solder Side w10: R94.2@10600,8979.33 10629.33,8950 11425,8950 11700,8675 11981.53,8675 12075,8581.53 ; R15300.1@12075,8495.67 12075,8581.53 ; C15301.2@12095.47,8605 12075,8584.53 12075,8581.53
FPGA_US4_TRIG: R81.1 US4.2 | length 1837.7
  Component Side w10: R81.1@10720.67,9000 10750,9000 v1(10775,9025) ; v1(11300,9000) 11600,8700 12000,8700 12075,8625 12075,8425 US4.2@12150,8350
  Solder Side w10: v1(10775,9025) 10776.5,9026.5 11273.5,9026.5 v1(11300,9000)
FPGA_US5_ECHO: C15401.2 R93.2 R15400.1 | length 1779
  Solder Side w10: R93.2@10500,8979.33 10554.33,8925 11400,8925 11675,8650 11875,8650 11880.5,8655.5 11949.03,8655.5 C15401.2@11979.53,8625 12025,8579.53 R15400.1@12025,8495.67